# KiCad board USB Cable Tester.kicad_pcb (continued)
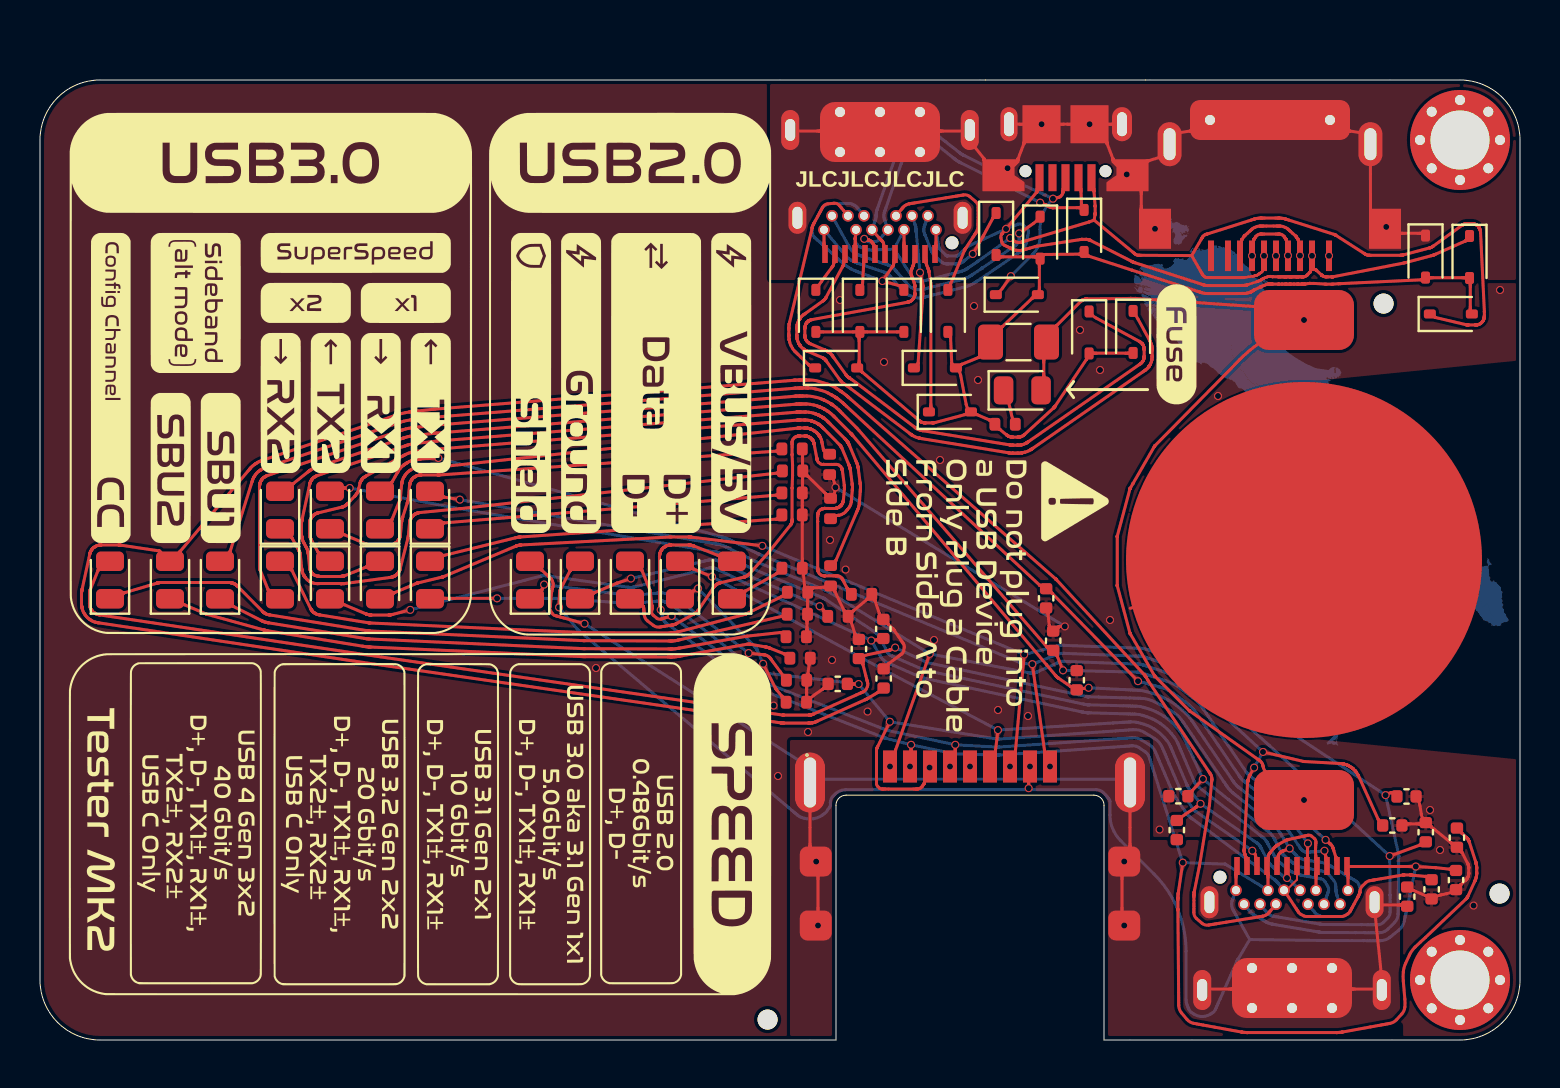
[diagram p0: board, top side]
## Routing (per net, layer and track width the routed paths; a pad name or vN(x,y) marks a point on that pad's centre or on a via; arc(x,y) is an arc through that point) (continued)
  Bottom w0.15: v1(31.04,21.51) 31.16,21.05 arc(31.17,21.01) 31.19,20.98 31.23,20.92 arc(31.25,20.89) 31.28,20.86 31.44,20.75 34.69,18.34 arc(34.69,18.34) 34.69,18.34 arc(34.69,18.34) 34.69,18.34 35.45,17.78 arc(35.48,17.76) 35.52,17.74 35.59,17.7 arc(35.62,17.68) 35.66,17.66 35.86,17.59 42.18,15.12 42.19,15.12 arc(42.21,15.11) 42.22,15.11 42.24,15.1 arc(42.25,15.1) 42.27,15.09 42.33,15.08 v1(43.55,14.76) 45.68,14.32 arc(45.69,14.32) 45.7,14.31 45.72,14.31 arc(45.73,14.31) 45.74,14.31 47.86,14.25 47.88,14.25 arc(47.89,14.25) 47.91,14.25 47.94,14.25 arc(47.95,14.25) 47.97,14.25 arc(47.99,14.25) 48,14.25 54.38,14.69 54.61,14.71 arc(54.79,14.69) 54.95,14.62 55.26,14.41 arc(55.39,14.29) 55.47,14.13 55.75,13.24 v1(57.14,8.87) 59.24,8.79 arc(59.24,8.79) 59.25,8.79 arc(59.25,8.79) 59.26,8.79 59.27,8.79 arc(59.27,8.79) 59.27,8.79 arc(59.28,8.78) 59.28,8.78 J2.B9
GND: length 61
  Top w0.15: R36.2 38.38,22.18 arc(38.38,22.15) 38.38,22.11 38.38,21.57 arc(38.38,21.54) 38.38,21.5 38.38,21.41 arc(38.37,21.29) 38.36,21.17 38.35,21.08 arc(38.35,21.04) 38.35,21.01 38.35,20.45 arc(38.35,20.41) 38.34,20.37 38.34,20.29 arc(38.33,20.16) 38.34,20.04 38.35,19.95 ; R36.2 38.65,22.6 38.65,22.6 arc(38.66,22.6) 38.66,22.6 39.2,22.64 arc(39.2,22.64) 39.21,22.64 arc(39.21,22.64) 39.21,22.64 39.25,22.64 arc(39.28,22.64) 39.32,22.65 39.41,22.67 arc(39.52,22.66) 39.61,22.6 39.74,22.43 arc(39.74,22.43) 39.74,22.43 arc(39.74,22.43) 39.74,22.43 39.74,22.43 arc(39.74,22.43) 39.74,22.43 40.2,21.48 arc(40.2,21.48) 40.2,21.48 arc(40.2,21.48) 40.2,21.48 R23.2 ; R36.2 38.23,22.71 arc(38.23,22.71) 38.23,22.71 arc(38.23,22.71) 38.23,22.71 38.18,23.26 arc(38.18,23.26) 38.18,23.27 arc(38.17,23.27) 38.17,23.27 38.17,23.31 arc(38.17,23.34) 38.17,23.38 38.14,23.47 arc(38.12,23.59) 38.11,23.71 38.11,23.99 38.11,25.93 R31.2 38.11,27.23 arc(38.12,27.35) 38.12,27.48 38.12,27.56 arc(38.13,27.6) 38.13,27.64 38.13,28.17 arc(38.13,28.21) 38.13,28.25 R37.2 ; R34.2 38.12,29.35 arc(38.13,29.31) 38.13,29.27 38.13,28.74 arc(38.13,28.7) 38.13,28.66 R37.2 ; U1.2 63.2,24 arc(63.19,24) 63.19,24 54.51,21.58 ; R37.2 38.38,28.2 arc(38.38,28.2) 38.38,28.19 arc(38.39,28.19) 38.39,28.19 arc(38.39,28.19) 38.39,28.19 39.26,27.33 arc(39.26,27.33) 39.27,27.33 39.27,27.33 arc(39.27,27.33) 39.27,27.33 arc(39.27,27.33) 39.27,27.33 39.4,27.2 arc(39.52,27.16) 39.63,27.22 39.65,27.24 arc(39.72,27.36) 39.76,27.49 v1(39.77,27.63) 39.73,27.84 arc(39.67,28) 39.59,28.14 R33.2 ; R23.2 40.57,20.87 arc(40.57,20.87) 40.57,20.87 arc(40.57,20.87) 40.57,20.87 40.75,20.31 arc(40.75,20.31) 40.75,20.31 arc(40.75,20.31) 40.75,20.31 C9.2 ; R23.2 40.65,21.44 40.65,21.44 41.34,22.02 arc(41.34,22.02) 41.34,22.02 arc(41.34,22.02) 41.34,22.02 arc(41.34,22.03) 41.34,22.03 41.47,22.16 arc(41.58,22.19) 41.67,22.13 41.75,21.97 arc(41.75,21.97) 41.75,21.97 arc(41.75,21.97) 41.75,21.97 41.97,21.31 arc(41.97,21.31) 41.97,21.31 42.07,21.17 arc(42.17,21.04) 42.28,20.91 42.41,20.78 arc(42.41,20.78) 42.41,20.78 42.41,20.78 arc(42.42,20.78) 42.42,20.77 42.66,20.55 arc(42.67,20.54) 42.68,20.53 42.69,20.52 arc(42.69,20.51) 42.7,20.5 43.18,19.8 arc(43.21,19.72) 43.22,19.64 43.19,19.46 arc(43.16,19.38) 43.1,19.31 42.44,18.82 arc(42.43,18.82) 42.43,18.82 42.43,18.81 arc(42.43,18.81) 42.43,18.81 C11.2 ; C8.2 68.66,7.48 arc(68.67,7.48) 68.67,7.48 68.67,7.48 arc(68.67,7.48) 68.67,7.48 69.27,7.22 arc(69.27,7.22) 69.27,7.22 69.27,7.22 arc(69.27,7.22) 69.27,7.22 C13.2 69.73,7.14 arc(69.89,7.21) 70.06,7.26 70.33,7.31 arc(70.49,7.36) 70.65,7.43 arc(70.79,7.53) 70.92,7.64 71.05,7.77 71.05,7.77 arc(71.05,7.78) 71.05,7.78 71.3,8.01 arc(71.3,8.01) 71.31,8.02 71.32,8.03 arc(71.33,8.04) 71.33,8.05 arc(71.34,8.06) 71.35,8.07 71.38,8.12 arc(71.39,8.13) 71.39,8.14 71.41,8.17 arc(71.41,8.19) 71.42,8.2 arc(71.42,8.22) 71.42,8.24 71.43,8.28 arc(71.43,8.29) 71.43,8.3 71.44,8.31 arc(71.44,8.32) 71.44,8.33 71.44,8.62 arc(71.44,8.63) 71.44,8.64 71.43,8.66 arc(71.43,8.66) 71.43,8.67 71.42,8.75 arc(71.41,8.76) 71.41,8.77 71.4,8.79 arc(71.4,8.8) 71.39,8.81 arc(71.39,8.82) 71.38,8.83 71.09,9.38 arc(71.09,9.38) 71.09,9.38 71.09,9.38 70.97,9.51 arc(70.84,9.63) 70.71,9.74 70.56,9.85 arc(70.56,9.86) 70.56,9.86 69.57,10.65 arc(69.57,10.65) 69.57,10.65 69.57,10.65 arc(69.57,10.65) 69.57,10.65 C17.2 ; C17.2 69.19,11.01 arc(69.11,11.15) 69.06,11.31 69,11.7 arc(68.96,11.87) 68.89,12.03 C16.2 ; C17.2 69.09,10.81 arc(69.05,10.81) 69.01,10.8 68.34,10.8 arc(68.3,10.8) 68.27,10.79 C14.2 ; C10.2 50.39,21.43 arc(50.4,21.4) 50.4,21.36 50.4,21.33 arc(50.4,21.32) 50.4,21.32 arc(50.4,21.32) 50.4,21.31 50.46,20.72 arc(50.46,20.72) 50.46,20.72 arc(50.46,20.72) 50.46,20.72 50.56,20.58 arc(50.67,20.52) 50.79,20.55 50.94,20.66 50.95,20.66 arc(50.95,20.66) 50.95,20.66 50.95,20.67 arc(50.95,20.67) 50.96,20.67 arc(50.96,20.67) 50.96,20.67 v1(51.24,20.68) ; C15.2 39.15,17.56 arc(39.15,17.56) 39.15,17.56 38.72,17.25 arc(38.58,17.14) 38.45,17.02 38.41,16.98 arc(38.36,16.97) 38.33,17.01 38.33,17.1 arc(38.33,17.14) 38.33,17.17 38.33,17.71 arc(38.33,17.74) 38.33,17.78 38.33,17.87 arc(38.34,17.99) 38.37,18.11 38.39,18.2 arc(38.39,18.24) 38.4,18.27 38.4,18.31 arc(38.4,18.31) 38.4,18.32 arc(38.4,18.32) 38.4,18.33 38.45,18.76 arc(38.45,18.76) 38.45,18.77 arc(38.46,18.77) 38.46,18.77 38.46,18.81 arc(38.46,18.84) 38.46,18.88 38.49,18.97 arc(38.49,19.09) 38.46,19.2
  Bottom w0.15: v1(51.24,20.68) v1(39.77,27.63)
  vias: v1(27.8,18.6) v1(36.68,16.72) v1(36.9,13.2) v1(38.4,15.4) v1(39.5,25) v1(39.6,19) v1(40,37) v1(40.28,23.52) v1(41.38,16.42) v1(42.2,33.9) v1(44.7,20) v1(45,29) v1(46.7,36.7) v1(46.9,33) v1(47.9,16.5) v1(49.4,16.2) v1(52,35.5) v1(53,33.5) v1(53.5,21) v1(56,35.22) v1(55.98,10.52) v1(58.9,32.2) v1(69.5,11.5) v1(70,9.5) v1(71.68,6.72) v1(73,37.5)
/CC: length 78.4
  Top w0.15: v1(62.48,9.58) 62.17,9.45 arc(62.17,9.45) 62.16,9.45 arc(62.16,9.45) 62.15,9.45 62.05,9.4 arc(62.02,9.38) 61.99,9.35 61.94,9.28 arc(61.92,9.24) 61.91,9.19 61.91,9.11 arc(61.91,9.08) 61.91,9.04 J2.A5 ; D40.2 2.91,23.49 arc(2.91,23.49) 2.91,23.49 arc(2.91,23.49) 2.91,23.49 2.91,23.49 arc(2.91,23.49) 2.9,23.48 2.52,22.53 arc(2.52,22.52) 2.51,22.51 arc(2.51,22.51) 2.51,22.5 2.5,22.49 arc(2.5,22.48) 2.5,22.47 2.48,22.36 arc(2.48,22.35) 2.48,22.35 2.47,22.33 arc(2.47,22.32) 2.47,22.31 2.47,21.81 arc(2.47,21.8) 2.47,21.79 2.48,21.78 arc(2.48,21.77) 2.48,21.76 2.5,21.65 arc(2.51,21.63) 2.51,21.62 2.52,21.59 arc(2.53,21.57) 2.54,21.56 2.61,21.45 arc(2.62,21.44) 2.63,21.43 2.65,21.4 arc(2.66,21.39) 2.68,21.38 2.78,21.31 arc(2.8,21.31) 2.81,21.3 2.84,21.29 arc(2.86,21.28) 2.87,21.28 2.97,21.26 arc(2.98,21.26) 2.99,21.25 arc(3,21.25) 3,21.25 16.19,19.28 arc(16.2,19.27) 16.21,19.27 arc(16.21,19.27) 16.22,19.27 37.12,16.25 arc(37.12,16.25) 37.13,16.25 arc(37.14,16.25) 37.14,16.25 37.15,16.24 arc(37.16,16.24) 37.17,16.24 38.47,16.24 arc(38.48,16.24) 38.48,16.25 38.5,16.25 arc(38.51,16.25) 38.52,16.25 38.57,16.26 arc(38.58,16.26) 38.59,16.26 arc(38.59,16.26) 38.6,16.27 38.62,16.27 arc(38.63,16.28) 38.64,16.28 38.68,16.3 41.19,17.42 arc(41.26,17.47) 41.3,17.53 41.37,17.68 arc(41.39,17.75) 41.39,17.83 41.14,18.79 41.04,18.93 arc(41.02,19.05) 41.09,19.15 41.1,19.15 arc(41.25,19.22) 41.42,19.27 42.45,19.48 arc(42.46,19.49) 42.47,19.49 arc(42.47,19.49) 42.48,19.49 42.5,19.5 arc(42.51,19.5) 42.52,19.51 v1(42.76,19.62)
  Bottom w0.15: J2.B5 63.77,6.34 arc(63.82,6.3) 63.88,6.26 64,6.2 arc(64.06,6.18) 64.13,6.17 65.08,6.17 arc(65.17,6.19) 65.24,6.22 65.39,6.3 arc(65.45,6.36) 65.5,6.42 65.98,7.31 arc(66.02,7.42) 66.01,7.53 65.94,7.76 arc(65.89,7.87) 65.81,7.94 64.46,8.74 arc(64.4,8.77) 64.34,8.8 64.21,8.84 arc(64.15,8.86) 64.08,8.88 63.2,9.01 arc(63.13,9.03) 63.07,9.06 62.95,9.12 arc(62.89,9.16) 62.84,9.2 v1(62.48,9.58) 61.98,10.39 arc(61.95,10.45) 61.9,10.5 61.81,10.61 arc(61.76,10.66) 61.7,10.71 61.42,10.93 59.63,12.37 arc(59.58,12.41) 59.54,12.45 59.45,12.54 arc(59.41,12.59) 59.38,12.64 57.14,15.93 arc(56.87,16.24) 56.53,16.47 55.8,16.87 arc(55.42,17.03) 55.02,17.09 52.41,17.16 arc(52.4,17.16) 52.39,17.16 52.37,17.16 arc(52.36,17.17) 52.35,17.17 52.3,17.18 44.41,18.86 arc(44.39,18.87) 44.38,18.87 arc(44.37,18.87) 44.36,18.87 44.33,18.88 arc(44.32,18.89) 44.31,18.89 44.25,18.92 v1(42.76,19.62)
/D+: length 41
  Top w0.15: D43.2 32.66,23.56 arc(32.66,23.56) 32.66,23.56 arc(32.66,23.56) 32.66,23.56 32.66,23.56 arc(32.66,23.56) 32.67,23.55 v1(33.6,23.16) ; J1.3 47.76,14.36 arc(47.77,14.4) 47.77,14.44 47.77,14.47 arc(47.78,14.47) 47.78,14.48 arc(47.78,14.48) 47.78,14.49 v1(47.9,15.5) ; v1(62.35,8.1) J2.A6 ; v1(58.03,11.81) 57.84,11.67 arc(57.84,11.66) 57.83,11.66 arc(57.83,11.66) 57.83,11.66 57.82,11.65 arc(57.82,11.65) 57.82,11.65 arc(57.82,11.65) 57.81,11.65 57.77,11.62 arc(57.77,11.62) 57.77,11.62 57.27,11.29 arc(57.13,11.19) 56.98,11.08 C12.1
  Bottom w0.15: v1(33.6,23.16) 42.16,18.52 arc(42.16,18.52) 42.17,18.52 arc(42.17,18.51) 42.18,18.51 v1(47.9,15.5) 53.66,15.85 54.54,15.91 arc(54.71,15.9) 54.88,15.87 55.05,15.83 arc(55.38,15.72) 55.69,15.56 arc(55.98,15.36) 56.22,15.11 56.34,14.98 arc(56.44,14.84) 56.52,14.68 56.87,13.87 57.37,12.69 arc(57.39,12.67) 57.4,12.65 57.42,12.6 arc(57.44,12.58) 57.45,12.56 57.54,12.45 v1(58.03,11.81) 60.88,9.83 60.89,9.82 60.93,9.78 60.97,9.74 61,9.7 61.4,8.94 61.46,8.85 61.53,8.76 61.6,8.68 61.99,8.34 62.06,8.27 62.24,8.1 v1(62.35,8.1) 62.39,8.06 62.39,8.03 62.46,8 62.52,7.96 62.58,7.92 62.71,7.79 J2.B6
/D-: length 51.7
  Top w0.1: J2.B7 62.32,7.49 62.85,8.02 J2.A7
  Top w0.15: C13.1 69.28,8.18 arc(69.27,8.18) 69.27,8.18 arc(69.27,8.18) 69.27,8.18 68.76,8.23 arc(68.75,8.23) 68.74,8.23 arc(68.73,8.23) 68.72,8.23 68.57,8.25 arc(68.56,8.25) 68.56,8.25 68.55,8.25 arc(68.54,8.25) 68.54,8.25 68.18,8.25 arc(68.18,8.25) 68.17,8.25 68.16,8.25 arc(68.15,8.25) 68.14,8.25 arc(68.13,8.25) 68.13,8.25 66.49,7.97 arc(66.38,7.93) 66.29,7.86 66.12,7.7 arc(66.05,7.61) 66.01,7.5 65.98,7.35 arc(65.98,7.33) 65.97,7.31 65.95,7.27 arc(65.95,7.25) 65.94,7.23 65.5,6.42 arc(65.45,6.36) 65.39,6.3 65.24,6.22 arc(65.17,6.19) 65.08,6.17 63.32,6.17 arc(63.25,6.18) 63.18,6.21 63.04,6.28 arc(62.98,6.33) 62.93,6.39 J2.B7 ; v1(45.76,14.76) 45.76,14.44 arc(45.76,14.4) 45.75,14.36 v1(45.5,13.67) ; v1(31.58,21.2) 31.04,21.05 arc(30.94,21.04) 30.84,21.09 30.66,21.24 arc(30.6,21.33) 30.58,21.43 30.6,21.61 arc(30.6,21.63) 30.6,21.64 30.6,21.67 arc(30.6,21.68) 30.6,21.7 30.59,21.71 arc(30.59,21.71) 30.59,21.72 arc(30.59,21.72) 30.59,21.72 30.59,21.73 arc(30.59,21.74) 30.59,21.75 30.52,22.34 arc(30.52,22.34) 30.52,22.35 arc(30.52,22.35) 30.52,22.35 30.52,22.36 arc(30.52,22.36) 30.52,22.37 arc(30.52,22.37) 30.52,22.37 30.5,22.47 arc(30.5,22.48) 30.5,22.49 30.49,22.5 arc(30.49,22.51) 30.49,22.51 arc(30.48,22.52) 30.48,22.53 30.1,23.48 arc(30.09,23.49) 30.09,23.49 30.09,23.49 arc(30.09,23.49) 30.09,23.49 arc(30.09,23.49) 30.09,23.49 D44.2
  Bottom w0.15: J2.B7 61.86,7.9 arc(61.85,7.91) 61.84,7.92 61.81,7.95 arc(61.8,7.96) 61.78,7.97 61.71,8.03 57.63,11.04 57.49,11.15 arc(57.47,11.17) 57.44,11.2 57.39,11.25 arc(57.37,11.27) 57.35,11.3 57.25,11.45 56.76,12.15 arc(56.74,12.19) 56.72,12.22 56.68,12.29 arc(56.66,12.33) 56.64,12.37 56.56,12.55 55.76,14.42 arc(55.64,14.61) 55.47,14.76 55.07,15.01 arc(54.86,15.09) 54.63,15.11 53.46,15.03 47.97,14.65 arc(47.96,14.65) 47.94,14.65 arc(47.93,14.65) 47.92,14.65 47.89,14.65 arc(47.88,14.65) 47.87,14.65 47.8,14.65 v1(45.76,14.76) 42.41,15.47 arc(42.4,15.47) 42.39,15.47 arc(42.38,15.48) 42.37,15.48 42.35,15.48 arc(42.35,15.49) 42.34,15.49 42.29,15.51 35.95,17.98 35.82,18.03 arc(35.79,18.04) 35.77,18.05 35.72,18.08 arc(35.7,18.1) 35.67,18.11 35.56,18.19 34.93,18.66 arc(34.93,18.66) 34.92,18.67 arc(34.92,18.67) 34.91,18.67 v1(31.58,21.2)
/RX1+: length 75
  Top w0.15: C16.1 67.57,12.37 arc(67.57,12.37) 67.57,12.37 67.57,12.38 arc(67.56,12.38) 67.56,12.38 67.56,12.37 arc(67.56,12.37) 67.55,12.37 arc(67.55,12.37) 67.55,12.37 v1(67.28,12.24) ; D47.2 17.69,22.35 arc(17.69,22.35) 17.69,22.35 17.7,22.35 arc(17.7,22.36) 17.7,22.36 18.82,22.83 arc(18.82,22.83) 18.83,22.83 arc(18.84,22.84) 18.84,22.84 18.85,22.84 arc(18.86,22.84) 18.87,22.85 18.9,22.85 20.13,23.15 arc(20.14,23.16) 20.15,23.16 20.16,23.16 arc(20.16,23.16) 20.17,23.17 23.83,24.71 arc(23.84,24.71) 23.85,24.72 23.86,24.72 arc(23.87,24.72) 23.88,24.72 23.97,24.74 arc(23.98,24.74) 23.99,24.75 arc(23.99,24.75) 24,24.75 24.01,24.75 arc(24.01,24.75) 24.02,24.75 24.05,24.75 31.49,25.15 arc(31.51,25.15) 31.52,25.15 arc(31.54,25.15) 31.56,25.15 32.47,25.15 arc(32.48,25.15) 32.49,25.15 32.51,25.15 arc(32.52,25.15) 32.53,25.15 32.59,25.14 v1(36.12,24.71) ; v1(48.5,13.67) 48.76,14.36 arc(48.77,14.4) 48.77,14.44 48.77,14.47 arc(48.78,14.48) 48.78,14.48 arc(48.78,14.48) 48.78,14.49 49.17,18.83 arc(49.17,18.83) 49.17,18.83 v1(49.21,19.27)
  Bottom w0.15: v1(36.12,24.71) v1(49.21,19.27) 50.88,19.7 arc(50.93,19.71) 50.97,19.72 51.06,19.73 arc(51.11,19.73) 51.15,19.73 51.38,19.73 54.85,19.59 55.02,19.59 arc(55.08,19.58) 55.13,19.58 55.25,19.56 arc(55.31,19.54) 55.36,19.53 56.52,19.14 arc(56.7,19.08) 56.88,19 57.23,18.83 arc(57.4,18.74) 57.57,18.64 58.38,18.1 v1(67.28,12.24) 67.93,9.29 67.93,9.28 arc(67.93,9.27) 67.93,9.26 67.93,9.23 arc(67.94,9.22) 67.94,9.2 67.9,6.28 arc(67.86,6.06) 67.73,5.87 67.38,5.53 arc(67.19,5.41) 66.97,5.36 64.31,5.37 64.17,5.38 arc(64.14,5.38) 64.11,5.38 64.05,5.38 arc(64.02,5.39) 63.99,5.39 63.85,5.41 61.59,5.8 arc(61.54,5.81) 61.5,5.82 61.41,5.85 arc(61.37,5.87) 61.33,5.89 60.67,6.27 arc(60.65,6.29) 60.62,6.3 60.58,6.34 arc(60.56,6.36) 60.54,6.38 J2.B11
/RX1-: length 73.8
  Top w0.15: v1(67.49,9.2) 68.98,9.74 arc(68.98,9.74) 68.98,9.74 arc(68.98,9.74) 68.98,9.74 arc(68.98,9.74) 68.98,9.74 C17.1 ; v1(49.62,18.79) 50.22,14.49 arc(50.22,14.49) 50.22,14.48 arc(50.22,14.48) 50.22,14.48 50.22,14.48 arc(50.22,14.48) 50.23,14.48 50.23,14.44 arc(50.23,14.4) 50.24,14.36 v1(50.5,13.67) ; D48.2 17.59,27.88 arc(17.59,27.88) 17.59,27.88 arc(17.59,27.88) 17.59,27.88 17.93,28.47 arc(17.96,28.52) 18,28.57 18.09,28.67 arc(18.14,28.71) 18.19,28.75 18.37,28.87 arc(18.42,28.9) 18.47,28.93 18.57,28.97 arc(18.62,28.99) 18.68,29 18.84,29.03 arc(18.86,29.04) 18.88,29.04 18.92,29.04 arc(18.94,29.05) 18.96,29.05 19.06,29.05 v1(19.92,29.1)
  Bottom w0.15: v1(19.92,29.1) 34.2,25.13 arc(34.24,25.11) 34.29,25.1 34.38,25.06 arc(34.42,25.04) 34.47,25.02 35.9,24.31 arc(35.92,24.3) 35.93,24.3 arc(35.95,24.29) 35.96,24.29 39.45,22.85 arc(39.46,22.85) 39.46,22.85 arc(39.46,22.84) 39.46,22.84 49,18.87 49.05,18.85 arc(49.07,18.84) 49.09,18.84 49.12,18.83 arc(49.14,18.83) 49.16,18.82 v1(49.62,18.79) 50.88,19.29 arc(50.92,19.3) 50.96,19.31 51.05,19.33 arc(51.1,19.33) 51.14,19.33 51.36,19.33 54.99,19.19 arc(55.03,19.19) 55.08,19.18 55.16,19.16 arc(55.21,19.15) 55.25,19.14 56.48,18.74 arc(56.75,18.63) 57,18.5 57.49,18.22 arc(57.73,18.06) 57.95,17.89 58.58,17.32 59.01,16.93 61.45,14.74 arc(61.45,14.74) 61.45,14.74 arc(61.45,14.73) 61.46,14.73 v1(67.49,9.2) 67.51,7.25 arc(67.51,7.25) 67.51,7.24 67.51,6.38 arc(67.48,6.23) 67.39,6.1 67.16,5.88 arc(67.04,5.79) 66.89,5.76 66.08,5.77 64.18,5.77 arc(64.15,5.78) 64.13,5.78 64.09,5.78 arc(64.07,5.78) 64.05,5.79 61.64,6.19 arc(61.59,6.21) 61.54,6.23 61.45,6.28 arc(61.4,6.32) 61.36,6.35 J2.B10
/RX2+: length 71.3
  Top w0.15: v1(64.28,10.01) 64.54,9.78 arc(64.56,9.76) 64.58,9.74 64.62,9.68 arc(64.63,9.65) 64.64,9.62 64.78,9.17 arc(64.78,9.17) 64.78,9.16 64.78,9.16 arc(64.78,9.16) 64.78,9.15 64.78,9.11 arc(64.79,9.08) 64.79,9.04 J2.A11 ; D51.2 11.41,22.51 arc(11.41,22.51) 11.41,22.51 arc(11.41,22.51) 11.41,22.51 11.41,22.51 arc(11.41,22.51) 11.4,22.52 11.02,23.47 arc(11.02,23.48) 11.01,23.49 arc(11.01,23.49) 11.01,23.5 11,23.51 arc(11,23.52) 11,23.53 10.98,23.64 arc(10.98,23.65) 10.98,23.65 10.97,23.67 arc(10.97,23.68) 10.97,23.69 10.97,27.69 arc(10.97,27.7) 10.97,27.71 10.98,27.72 arc(10.98,27.73) 10.98,27.74 11,27.85 arc(11.01,27.87) 11.01,27.88 11.02,27.91 arc(11.03,27.93) 11.04,27.94 11.11,28.05 arc(11.12,28.06) 11.13,28.07 11.15,28.1 arc(11.16,28.11) 11.18,28.12 11.28,28.18 arc(11.29,28.19) 11.3,28.19 11.32,28.2 arc(11.33,28.21) 11.34,28.21 arc(11.35,28.22) 11.36,28.22 17.8,30.4 18.15,30.51 arc(18.22,30.53) 18.29,30.55 18.43,30.58 arc(18.5,30.6) 18.57,30.61 18.93,30.65 19.7,30.74 arc(19.73,30.74) 19.76,30.74 arc(19.79,30.74) 19.81,30.75 37.7,32.18 37.82,32.19 arc(37.84,32.2) 37.86,32.2 37.91,32.2 arc(37.93,32.2) 37.96,32.2 38.37,32.2 arc(38.48,32.19) 38.6,32.18 38.83,32.13 arc(38.94,32.1) 39.05,32.06 39.23,31.98 arc(39.28,31.96) 39.32,31.94 39.42,31.89 arc(39.46,31.86) 39.51,31.83 39.56,31.8 arc(39.56,31.8) 39.56,31.8 39.64,31.75 arc(39.69,31.71) 39.74,31.68 39.83,31.6 arc(39.87,31.56) 39.92,31.52 40.12,31.31 40.8,30.63 arc(40.84,30.6) 40.88,30.56 arc(40.91,30.52) 40.95,30.48 50.34,19.66 arc(50.34,19.66) 50.34,19.66 50.35,19.65 arc(50.35,19.65) 50.35,19.65 50.35,19.65 arc(50.35,19.65) 50.35,19.65 50.51,19.57 arc(50.65,19.47) 50.76,19.35 50.86,19.21 arc(50.86,19.21) 50.86,19.21 arc(50.86,19.2) 50.86,19.2 v1(51.15,18.48)
  Bottom w0.15: v1(51.15,18.48) 54.93,18.39 arc(54.94,18.39) 54.96,18.39 54.99,18.38 arc(55.01,18.38) 55.03,18.37 56.33,17.94 arc(56.68,17.8) 57,17.59 57.62,17.13 arc(57.91,16.87) 58.15,16.58 60.34,13.35 arc(60.35,13.34) 60.36,13.33 60.39,13.3 arc(60.4,13.29) 60.41,13.28 60.48,13.23 62.34,11.74 arc(62.4,11.69) 62.46,11.64 arc(62.52,11.58) 62.58,11.53 v1(64.28,10.01)
/RX2-: length 63.6
  Top w0.15: J2.A10 64.29,9.04 arc(64.29,9.08) 64.29,9.11 64.29,9.16 arc(64.28,9.17) 64.28,9.17 64.28,9.19 arc(64.28,9.2) 64.28,9.21 v1(64.22,9.46) ; v1(52.43,17.61) 52.16,17.58 arc(52.16,17.58) 52.15,17.57 arc(52.15,17.57) 52.14,17.57 52.11,17.57 arc(52.07,17.57) 52.04,17.56 51.95,17.54 arc(51.84,17.53) 51.73,17.57 51.53,17.68 arc(51.53,17.68) 51.53,17.68 arc(51.53,17.68) 51.53,17.68 51.53,17.68 arc(51.52,17.68) 51.52,17.68 50.88,18.12 arc(50.87,18.13) 50.86,18.14 50.84,18.16 arc(50.83,18.17) 50.82,18.18 50.34,18.75 arc(50.33,18.75) 50.33,18.75 40.64,30.23 40.61,30.25 arc(40.61,30.26) 40.6,30.27 40.58,30.29 arc(40.58,30.3) 40.57,30.3 39.65,31.23 arc(39.61,31.27) 39.57,31.3 39.5,31.36 arc(39.46,31.39) 39.42,31.42 39.39,31.44 arc(39.38,31.45) 39.37,31.45 arc(39.35,31.46) 39.34,31.47 39.26,31.52 arc(39.25,31.52) 39.24,31.53 39.2,31.56 arc(39.16,31.57) 39.13,31.59 39.06,31.62 arc(39.03,31.64) 38.99,31.65 38.85,31.71 arc(38.77,31.73) 38.68,31.75 38.51,31.78 arc(38.42,31.8) 38.34,31.8 37.96,31.8 arc(37.94,31.8) 37.92,31.8 37.88,31.8 arc(37.86,31.8) 37.84,31.79 37.75,31.79 19.84,30.35 arc(19.82,30.35) 19.8,30.34 arc(19.78,30.34) 19.76,30.34 18.62,30.21 arc(18.56,30.2) 18.5,30.19 18.38,30.16 arc(18.32,30.15) 18.26,30.13 17.97,30.03 13.75,28.6 13.7,28.59 arc(13.67,28.58) 13.65,28.57 13.61,28.55 arc(13.59,28.54) 13.57,28.52 13.46,28.45 arc(13.46,28.45) 13.45,28.44 13.44,28.44 arc(13.43,28.43) 13.43,28.43 12.66,27.82 arc(12.66,27.82) 12.66,27.82 arc(12.66,27.82) 12.66,27.82 arc(12.66,27.81) 12.66,27.81 D52.2
  Bottom w0.15: v1(64.22,9.46) 63.38,9.38 arc(63.32,9.39) 63.26,9.4 63.15,9.45 arc(63.1,9.49) 63.06,9.53 62.26,10.69 arc(62.21,10.75) 62.17,10.81 62.06,10.92 arc(62.01,10.97) 61.96,11.02 61.67,11.25 59.93,12.64 59.89,12.67 arc(59.85,12.7) 59.82,12.74 59.76,12.8 arc(59.73,12.84) 59.7,12.88 59.57,13.07 57.58,15.99 arc(57.44,16.17) 57.28,16.33 57.12,16.48 arc(56.77,16.76) 56.4,17 arc(56,17.2) 55.58,17.35 55.36,17.41 arc(55.14,17.46) 54.92,17.48 53.8,17.54 v1(52.43,17.61)
/SBU1: length 68.4
  Top w0.15: v1(63.4,9.83) 63.38,9.55 arc(63.38,9.52) 63.37,9.49 arc(63.37,9.46) 63.37,9.43 63.37,9.11 arc(63.37,9.08) 63.37,9.04 J2.A8 ; D41.2 9.5,24.42 arc(9.5,24.42) 9.5,24.42 arc(9.5,24.42) 9.5,24.42 9.5,24.42 arc(9.5,24.42) 9.5,24.42 10.6,27.89 10.63,28.02 arc(10.64,28.04) 10.65,28.06 10.67,28.11 arc(10.69,28.13) 10.7,28.16 10.79,28.29 arc(10.81,28.32) 10.83,28.34 10.88,28.39 arc(10.91,28.42) 10.94,28.44 11.07,28.52 arc(11.09,28.54) 11.11,28.55 11.15,28.57 arc(11.17,28.58) 11.2,28.59 11.31,28.62 17.64,30.76 18.03,30.89 arc(18.11,30.92) 18.19,30.94 18.35,30.98 arc(18.43,30.99) 18.51,31 18.92,31.05 19.65,31.13 arc(19.69,31.14) 19.72,31.14 arc(19.75,31.14) 19.79,31.15 37.65,32.58 37.79,32.59 arc(37.82,32.59) 37.84,32.6 37.9,32.6 arc(37.92,32.6) 37.95,32.6 38.42,32.6 arc(38.59,32.59) 38.76,32.56 39.09,32.47 arc(39.25,32.42) 39.4,32.35 39.54,32.27 arc(39.55,32.27) 39.56,32.26 arc(39.57,32.26) 39.59,32.25 39.6,32.24 arc(39.63,32.23) 39.65,32.21 39.7,32.18 arc(39.72,32.17) 39.75,32.15 39.77,32.14 arc(39.77,32.14) 39.77,32.14 39.77,32.14 arc(39.78,32.13) 39.78,32.13 39.86,32.08 arc(39.91,32.05) 39.95,32.01 40.04,31.95 arc(40.08,31.91) 40.12,31.87 40.33,31.68 49.98,22.74 arc(49.98,22.74) 49.99,22.74 50,22.73 arc(50,22.73) 50,22.73 arc(50,22.73) 50,22.73 50.15,22.65 arc(50.3,22.56) 50.44,22.46 50.59,22.35 50.59,22.35 arc(50.6,22.34) 50.6,22.34 v1(54.9,17.94)
  Bottom w0.15: v1(63.4,9.83) 62.54,10.99 arc(62.49,11.05) 62.43,11.11 62.32,11.22 arc(62.27,11.28) 62.21,11.33 61.9,11.57 60.19,12.94 60.15,12.98 arc(60.13,13) 60.1,13.02 60.06,13.07 arc(60.04,13.09) 60.02,13.12 59.93,13.25 57.82,16.35 arc(57.57,16.65) 57.28,16.89 56.65,17.34 arc(56.33,17.53) 55.97,17.66 v1(54.9,17.94)
/SBU2: length 123.2
  Top w0.15: J2.B8 61.44,6.35 arc(61.4,6.31) 61.35,6.28 61.26,6.23 arc(61.21,6.21) 61.15,6.19 60.88,6.15 58.42,5.75 arc(58.25,5.76) 58.1,5.83 57.83,6.07 arc(57.73,6.2) 57.69,6.36 57.69,7.26 arc(57.7,7.28) 57.7,7.3 57.7,7.34 arc(57.7,7.35) 57.71,7.37 57.97,8.69 arc(57.97,8.7) 57.97,8.72 arc(57.98,8.73) 57.98,8.75 58.47,11.72 arc(58.47,11.74) 58.47,11.75 arc(58.47,11.77) 58.48,11.78 58.6,13.05 arc(58.6,13.09) 58.59,13.12 58.57,13.2 arc(58.56,13.24) 58.54,13.27 58.43,13.43 55.41,17.97 arc(55.4,17.98) 55.39,18 arc(55.38,18.01) 55.37,18.02 55.28,18.18 arc(55.28,18.19) 55.27,18.2 55.25,18.22 arc(55.25,18.23) 55.24,18.24 55.2,18.28 50.81,23.03 50.81,23.03 arc(50.81,23.03) 50.81,23.03 50.8,23.04 arc(50.8,23.04) 50.79,23.05 50.78,23.06 40.38,32.18 40.33,32.22 arc(40.29,32.25) 40.25,32.28 40.17,32.35 arc(40.13,32.38) 40.08,32.41 39.79,32.6 arc(39.59,32.72) 39.38,32.8 38.94,32.93 arc(38.72,32.98) 38.49,33 38.19,33 arc(38.19,33) 38.18,33 37.95,33 arc(37.92,33) 37.89,33 37.82,33 arc(37.79,32.99) 37.76,32.99 37.6,32.98 19.76,31.55 arc(19.72,31.54) 19.68,31.54 arc(19.64,31.53) 19.6,31.53 18.46,31.4 arc(18.36,31.39) 18.27,31.37 18.09,31.33 arc(18,31.3) 17.91,31.28 17.47,31.13 11.23,29.02 11.06,28.96 arc(11.02,28.95) 10.99,28.93 10.92,28.9 arc(10.89,28.88) 10.86,28.86 10.71,28.77 arc(10.68,28.75) 10.65,28.72 10.59,28.67 arc(10.56,28.64) 10.54,28.61 10.41,28.46 7.02,24.44 arc(7.01,24.44) 7.01,24.44 arc(7.01,24.43) 7.01,24.43 7.01,24.43 arc(7,24.42) 7,24.42 7,24.42 arc(7,24.42) 7,24.42 arc(7,24.42) 7,24.42 6.75,24.18 arc(6.5,24.08) 6.25,24.18 6,24.42 arc(6,24.42) 6,24.42 arc(6,24.42) 6,24.42 5.99,24.43 arc(5.99,24.43) 5.99,24.44 5.98,24.45 arc(5.97,24.45) 5.96,24.45 arc(5.96,24.45) 5.95,24.46 4,24.75 arc(3.99,24.75) 3.99,24.75 3.97,24.75 arc(3.97,24.75) 3.96,24.75 3.04,24.75 arc(3.03,24.75) 3.02,24.75 3,24.75 arc(3,24.75) 2.99,24.75 2.87,24.72 arc(2.86,24.72) 2.84,24.71 2.81,24.7 arc(2.8,24.69) 2.78,24.69 2.68,24.62 arc(2.66,24.61) 2.65,24.6 2.63,24.57 arc(2.62,24.56) 2.61,24.55 2.54,24.44 arc(2.53,24.43) 2.52,24.42 2.51,24.39 arc(2.51,24.37) 2.5,24.36 2.49,24.28 2.11,22.56 arc(2.11,22.55) 2.11,22.55 arc(2.11,22.54) 2.11,22.53 2.08,22.43 arc(2.08,22.41) 2.08,22.39 2.08,22.36 arc(2.07,22.34) 2.07,22.32 2.07,21.8 arc(2.07,21.78) 2.08,21.77 2.08,21.73 arc(2.08,21.71) 2.08,21.69 2.11,21.55 arc(2.12,21.51) 2.13,21.48 2.16,21.41 arc(2.18,21.38) 2.19,21.35 2.29,21.21 arc(2.31,21.18) 2.33,21.16 2.38,21.11 arc(2.41,21.08) 2.44,21.06 2.58,20.97 arc(2.61,20.95) 2.64,20.94 2.71,20.91 arc(2.74,20.9) 2.77,20.89 2.89,20.87 arc(2.9,20.86) 2.92,20.86 arc(2.94,20.86) 2.95,20.85 16.13,18.88 arc(16.14,18.88) 16.15,18.88 arc(16.15,18.88) 16.16,18.88 37.02,15.86 37.08,15.85 arc(37.09,15.85) 37.11,15.85 37.13,15.85 arc(37.15,15.84) 37.16,15.84 38.48,15.84 arc(38.5,15.84) 38.51,15.85 38.55,15.85 arc(38.57,15.85) 38.58,15.85 arc(38.6,15.86) 38.62,15.86 38.67,15.87 arc(38.69,15.88) 38.71,15.88 38.75,15.9 arc(38.77,15.9) 38.79,15.91 38.88,15.95 41.29,17.03 arc(41.3,17.03) 41.31,17.04 41.33,17.05 arc(41.34,17.05) 41.35,17.06 41.9,17.38 arc(41.9,17.38) 41.9,17.38 C11.1
/SHLD: length 66.3
  Top w0.15: v1(27.23,20.81) 25.75,21.22 arc(25.67,21.26) 25.62,21.32 25.52,21.47 arc(25.49,21.55) 25.5,21.64 25.52,21.75 arc(25.52,21.75) 25.52,21.76 arc(25.52,21.76) 25.52,21.77 25.52,21.78 arc(25.52,21.78) 25.52,21.79 25.58,22.36 arc(25.58,22.37) 25.58,22.38 arc(25.58,22.39) 25.58,22.4 25.58,22.42 arc(25.58,22.43) 25.59,22.44 arc(25.59,22.45) 25.59,22.46 25.6,22.53 arc(25.61,22.54) 25.61,22.55 arc(25.61,22.56) 25.61,22.57 25.62,22.59 arc(25.62,22.6) 25.62,22.61 25.63,22.62 arc(25.63,22.62) 25.63,22.63 25.65,22.7 arc(25.66,22.76) 25.66,22.82 25.62,22.95 arc(25.6,23.01) 25.56,23.06 25.32,23.28 25.1,23.48 arc(25.1,23.49) 25.09,23.49 25.09,23.49 arc(25.09,23.49) 25.09,23.49 arc(25.09,23.49) 25.09,23.49 D39.2 ; J1.10 38.5,9.64 arc(38.5,9.6) 38.52,9.57 38.73,9.22 arc(38.86,8.91) v1(38.81,8.92) arc(38.86,8.91) 38.9,8.59 v1(38.9,5.73) ; J2.S1 58.11,2.52 arc(58.12,2.54) 58.13,2.55 59.63,2.55 arc(59.67,2.55) 59.71,2.55 61.43,2.58 arc(62.6,2.59) 63.77,2.58 65.49,2.55 arc(65.53,2.55) 65.57,2.55 67.06,2.55 arc(67.08,2.54) 67.09,2.52 67.09,2.77 arc(67.08,3.05) 67.06,3.32 66.75,6.37 arc(66.73,6.54) 66.73,6.71 66.73,6.82 arc(66.75,6.77) 66.8,6.75 68.09,6.75 arc(68.12,6.75) 68.16,6.74 C8.1 ; J1.10 54.5,9.64 arc(54.5,9.6) 54.48,9.57 54.27,9.22 arc(54.14,8.91) v1(54.21,8.92) arc(54.14,8.91) 54.1,8.59 54.1,6.25 v1(54.21,5.73) 54.1,5.73
  Bottom w0.15: v1(27.23,20.81) 38.18,13.83 arc(38.42,13.58) 38.5,13.25 38.5,12.96 arc(38.52,13.02) 38.58,13.04 54.42,13.04 arc(54.48,13.02) 54.5,12.96 54.5,12.5 arc(54.55,12.14) 54.7,11.81
/TX1+: length 64.8
  Top w0.15: v1(60.71,13.62) 60.48,13.22 arc(60.48,13.21) 60.47,13.21 60.47,13.19 arc(60.46,13.19) 60.46,13.18 arc(60.46,13.17) 60.46,13.16 60.4,13 arc(60.4,12.99) 60.4,12.98 60.39,12.96 arc(60.39,12.95) 60.39,12.94 60.37,12.79 arc(60.37,12.78) 60.37,12.77 arc(60.37,12.77) 60.37,12.76 60.2,9.5 60.2,9.46 arc(60.2,9.43) 60.21,9.4 60.22,9.35 arc(60.22,9.33) 60.23,9.3 60.25,9.27 arc(60.25,9.27) 60.26,9.26 60.26,9.25 arc(60.26,9.24) 60.27,9.23 arc(60.27,9.23) 60.27,9.22 60.28,9.17 arc(60.28,9.17) 60.28,9.17 arc(60.28,9.16) 60.28,9.16 60.28,9.16 arc(60.29,9.15) 60.29,9.15 60.29,9.11 arc(60.29,9.08) 60.29,9.04 J2.A2 ; v1(42.5,13.67) 42.76,14.36 arc(42.77,14.4) 42.77,14.44 42.77,14.48 arc(42.78,14.48) 42.78,14.48 42.78,14.49 arc(42.78,14.49) 42.78,14.5 arc(42.78,14.5) 42.78,14.5 v1(44.49,19.31) ; v1(20.99,27.02) 20.19,27.15 arc(20.19,27.15) 20.19,27.15 D45.2 ; v1(61.15,14.4) 63.18,13.93 arc(63.18,13.93) 63.18,13.93 arc(63.19,13.93) 63.19,13.93 63.19,13.93 arc(63.19,13.92) 63.19,13.92 arc(63.2,13.92) 63.2,13.92 64.96,13.83 arc(64.97,13.83) 64.98,13.83 arc(64.98,13.83) 64.99,13.83 65.14,13.81 arc(65.15,13.81) 65.16,13.81 65.18,13.8 arc(65.19,13.8) 65.2,13.8 65.38,13.74 arc(65.39,13.73) 65.4,13.73 65.41,13.72 arc(65.42,13.72) 65.43,13.71 65.6,13.61 arc(65.6,13.61) 65.61,13.6 65.63,13.59 arc(65.63,13.58) 65.64,13.58 65.78,13.44 arc(65.78,13.43) 65.79,13.43 65.8,13.41 arc(65.81,13.4) 65.81,13.4 65.91,13.23 arc(65.91,13.23) 65.92,13.23 65.92,13.22 arc(65.92,13.21) 65.93,13.21 arc(65.93,13.2) 65.93,13.2 66.92,11.02 arc(66.92,11.02) 66.92,11.01 66.92,11.01 C14.1
  Bottom w0.15: v1(20.99,27.02) 33.65,24.83 33.94,24.78 arc(34,24.77) 34.06,24.75 34.17,24.71 arc(34.22,24.69) 34.28,24.67 34.55,24.54 35.71,23.96 arc(35.74,23.95) 35.77,23.93 arc(35.79,23.92) 35.82,23.91 39.29,22.48 39.32,22.47 arc(39.34,22.46) 39.35,22.46 39.38,22.44 arc(39.4,22.43) 39.41,22.42 39.48,22.38 v1(44.49,19.31) 49.04,18.44 arc(49.05,18.44) 49.05,18.44 49.57,18.34 arc(49.6,18.34) 49.64,18.34 49.7,18.35 arc(49.74,18.36) 49.77,18.37 49.92,18.43 50.99,18.91 arc(51.02,18.91) 51.04,18.92 51.09,18.93 arc(51.12,18.93) 51.14,18.93 51.27,18.93 54.81,18.8 54.96,18.79 arc(54.99,18.79) 55.02,18.78 55.08,18.77 arc(55.11,18.77) 55.14,18.76 56.35,18.36 arc(56.6,18.26) 56.84,18.14 57.3,17.86 arc(57.53,17.71) 57.74,17.54 58.73,16.63 v1(61.15,14.4) v1(60.71,13.62)
